# Altium PCB STM32-Nixie-v2.PcbDoc (part 1 of 3)
Units mm, origin at the board's own origin, x right, y up, seen from the top; angles counter-clockwise.
Board outline 339 x 57 mm, 2 copper layers (Top Layer, Bottom Layer); 367 components, 315 nets, 1212 pads, 270 vias.
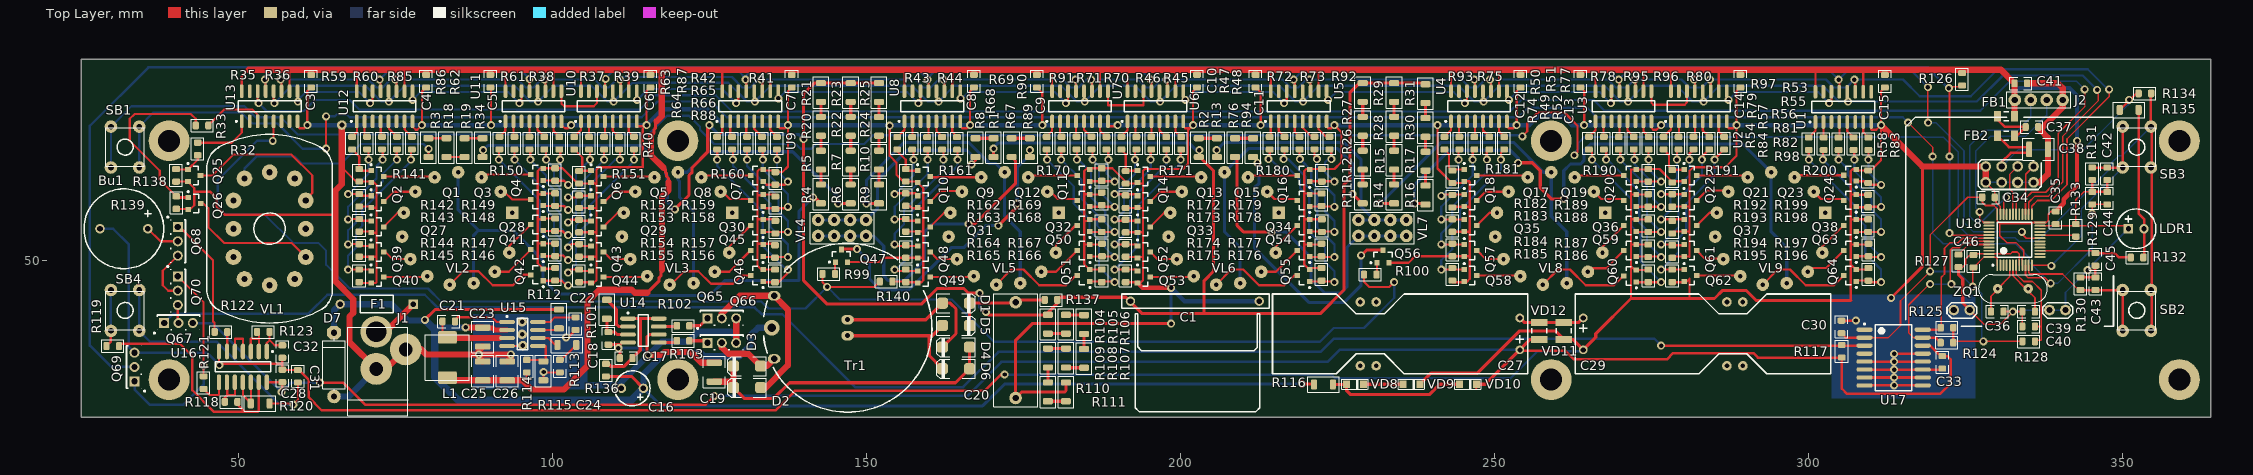
[diagram p0: Top Layer view]
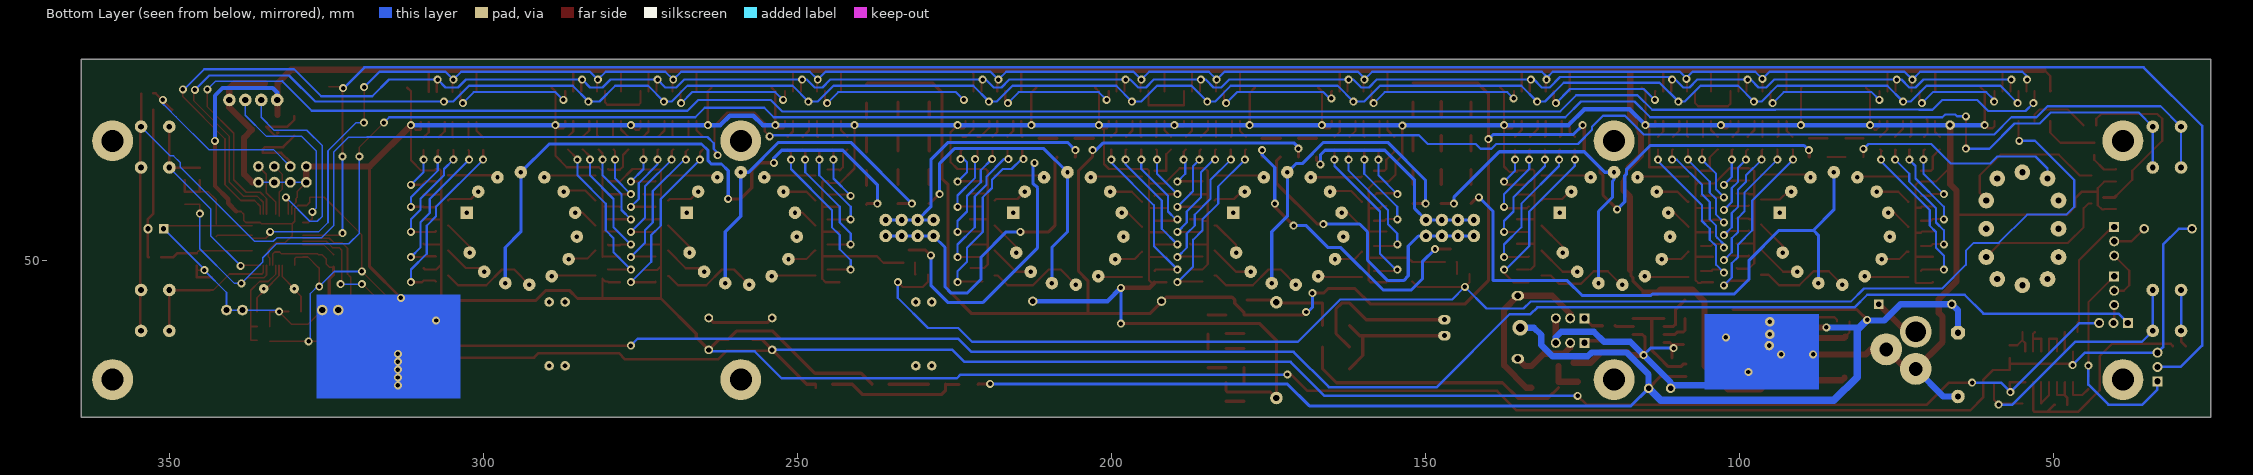
[diagram p1: Bottom Layer view, seen from below]
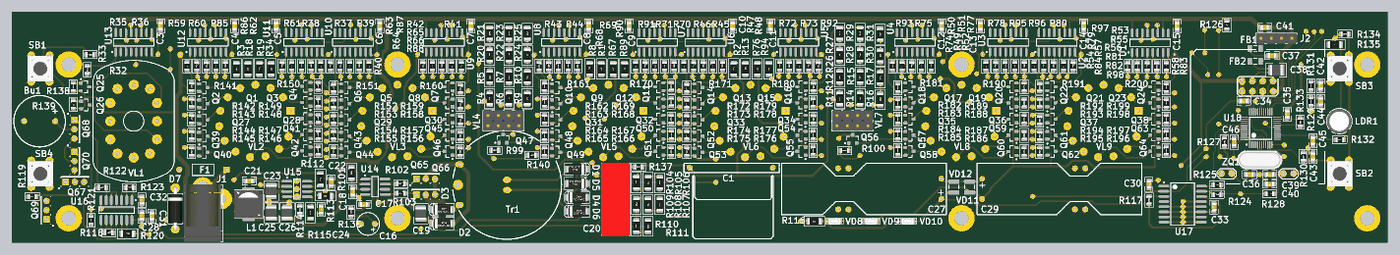
[diagram p4: 3D render of the assembled board from above, using the file's embedded part models]

## Layer stack, top to bottom
Top Solder: solder mask 0.0102, Solder Resist, Dk 3.5
Top Layer: signal copper 0.0356
Dielectric 1: dielectric 0.32, FR-4, Dk 4.8
Bottom Layer: signal copper 0.0356
Bottom Solder: solder mask 0.0102, Solder Resist, Dk 3.5

## Board outline
25,25 25,82 364,82 364,25

## Design rules (kind name [scope] priority, off if disabled: settings)
Clearance [All] p1: gap=0.2
ComponentClearance ComponentClearance_1 [All] p1: gap=0.254 collisioncheckmode=3 verticalgap=0.254 showdistances=FALSE
PolygonConnect [All] p1: connectstyle=Relief reliefconductorwidth=0.254 reliefentries=4 polygonreliefangle="90 Angle" airgapwidth=0.254
RoutingVias [All] p1: holewidth=0.711 width=1.27 viastyle="Through Hole" minholewidth=0.711 minwidth=1.27 maxholewidth=0.711 maxwidth=1.27
SolderMaskExpansion [All] p1: expansion=0.102
Width [All] p1: maxlimit=1.27 minlimit=0.2 preferedwidth=0.5
29 further rules are at their usual default settings.

## Components (designator, comment, footprint, x,y, rotation, side; value= is the part's Value field where it differs from the comment)
Bu1 "PK-21N30P" Buzzer 28,55 r0 top
C1 "2.2u" CBB22 192.024,43.473 r0 top
C3 "100n" C0805(2013) 61.617,78.5 r90 top
C4 "100n" C0805(2013) 79.917,78.5 r90 top
C5 "100n" C0805(2013) 90.138,78.5 r90 top
C6 "100n" C0805(2013) 115.617,78.5 r90 top
C7 "100n" C0805(2013) 138.117,78.5 r90 top
C8 "100n" C0805(2013) 167.117,78.5 r90 top
C9 "100n" C0805(2013) 177.138,78.5 r90 top
C10 "100n" C0805(2013) 202.617,78.5 r90 top
C11 "100n" C0805(2013) 211.938,78.5 r90 top
C12 "100n" C0805(2013) 254.117,78.5 r90 top
C13 "100n" C0805(2013) 263.638,78.5 r90 top
C14 "100n" C0805(2013) 289.117,78.5 r90 top
C15 "100n" C0805(2013) 312.117,78.5 r90 top
C16 "100uF 20V" "100.0x20V pol" 111,29.6 r0 top
C17 "1.0" C0805(2013) 111.75,34.422 r180 top
C18 "680" C0805(2013) 108.933,37.551 r270 top
C19 "22u 50V" C1210(3225) 125.775,32.168 r90 top
C20 "3,3u" "MKP 18x7 h14 R15.24" 173.75,35.68 r270 top
C21 "100n" C0805(2013) 83.5,40.25 r0 top
C22 "100n" C0805(2013) 103.696,39.892 r270 top
C23 "22u 50V" C1210(3225) 88.933,37.75 r90 top
C24 "3.9n" C0805(2013) 101.2,33.133 r270 top
C25 "22u" C1210(3225) 88.933,32.371 r90 top
C26 "22u" C1210(3225) 92.812,32.371 r90 top
C27 "Cap Pol2" 10F2.7V 254,40.806 r270 top
C28 "1.0" C0805(2013) 57.027,31.572 r90 top
C29 "Cap Pol2" 10F2.7V 264.101,35.726 r90 top
C30 "100n" C0805(2013) 305.2,39.379 r270 top
C31 "1.0" C0805(2013) 59.5,31.514 r90 top
C32 "100n" C0805(2013) 57.027,35.451 r90 top
C33 "100n" C0805(2013) 321.25,33.741 r90 top
C34 "100n" C0805(2013) 328.6,60 r180 top
C35 "1.0" C0805(2013) 339.292,56.75 r90 top
C36 "15" C0805(2013) 330,41.827 r0 top
C37 "100n" C0805(2013) 335.517,71.2 r0 top
C38 "22u" C1210(3225) 336.567,67.633 r0 top
C39 "15" C0805(2013) 335,41.827 r180 top
C40 "100n" C0805(2013) 335,39.448 r180 top
C41 "100n" C0805(2013) 333.75,78.15 r180 top
C42 "100n" C0805(2013) 347.5,63.75 r90 top
C43 "100n" C0805(2013) 345.629,46.25 r270 top
C44 "100n" C0805(2013) 347.5,59.871 r270 top
C45 "100n" C0805(2013) 345.629,50.129 r270 top
C46 "100n" C0805(2013) 326.208,49.838 r270 top
D1 "US1M" "DO-214AC (SMA)" 164.25,43.156 r0 top
D2 "US1M" "DO-214AC (SMA)" 131,29.713 r180 top
D3 "US1M" "DO-214AC (SMA)" 130.991,33.143 r180 top
D4 "US1M" "DO-214AC (SMA)" 164.25,36.156 r180 top
D5 "US1M" "DO-214AC (SMA)" 164.25,39.585 r0 top
D6 "US1M" "DO-214AC (SMA)" 164.25,32.726 r180 top
D7 "P4KE16" DO-15-400 65.25,33.382 r90 top
F1 "3.15A" PIN-W2/E2.8 72.06,42.996 r180 top
FB1 "60R" C1206 331.4,72.912 r180 top
FB2 "1K" C1206 331.4,69.8 r180 top
J1 "12V 1A" Power-Jack 71.98,25 r90 top
J2 "H-1x4" J1x4 336.6,75.5 r180 top
L1 "10u" Dr-SD-75 83.304,34.5 r0 top
LDR1 "LDR" CAPPR250-630X1120 352.111,55 r0 top
Q1 "MMBTA42LT1G" ONSC-SOT-23-3-318-08_V 72.157,63.296 r0 top
Q2 "MMBTA42LT1G" ONSC-SOT-23-3-318-08_V 72.157,59.306 r0 top
Q3 "MMBTA42LT1G" ONSC-SOT-23-3-318-08_V 97.56,63.633 r180 top
Q4 "MMBTA42LT1G" ONSC-SOT-23-3-318-08_V 97.56,59.644 r180 top
Q5 "MMBTA42LT1G" ONSC-SOT-23-3-318-08_V 107.157,63.296 r0 top
Q6 "MMBTA42LT1G" ONSC-SOT-23-3-318-08_V 107.157,59.306 r0 top
Q7 "MMBTA42LT1G" ONSC-SOT-23-3-318-08_V 132.56,63.5 r180 top
Q8 "MMBTA42LT1G" ONSC-SOT-23-3-318-08_V 132.56,59.511 r180 top
Q9 "MMBTA42LT1G" ONSC-SOT-23-3-318-08_V 159.157,63.296 r0 top
Q10 "MMBTA42LT1G" ONSC-SOT-23-3-318-08_V 159.157,59.306 r0 top
Q11 "MMBTA42LT1G" ONSC-SOT-23-3-318-08_V 184.56,63.5 r180 top
Q12 "MMBTA42LT1G" ONSC-SOT-23-3-318-08_V 184.56,59.511 r180 top
Q13 "MMBTA42LT1G" ONSC-SOT-23-3-318-08_V 194.157,63.296 r0 top
Q14 "MMBTA42LT1G" ONSC-SOT-23-3-318-08_V 194.157,59.306 r0 top
Q15 "MMBTA42LT1G" ONSC-SOT-23-3-318-08_V 219.56,63.5 r180 top
Q16 "MMBTA42LT1G" ONSC-SOT-23-3-318-08_V 219.56,59.511 r180 top
Q17 "MMBTA42LT1G" ONSC-SOT-23-3-318-08_V 246.157,63.5 r0 top
Q18 "MMBTA42LT1G" ONSC-SOT-23-3-318-08_V 246.157,59.511 r0 top
Q19 "MMBTA42LT1G" ONSC-SOT-23-3-318-08_V 271.56,63.5 r180 top
Q20 "MMBTA42LT1G" ONSC-SOT-23-3-318-08_V 271.56,59.511 r180 top
Q21 "MMBTA42LT1G" ONSC-SOT-23-3-318-08_V 281.157,63.5 r0 top
Q22 "MMBTA42LT1G" ONSC-SOT-23-3-318-08_V 281.157,59.511 r0 top
Q23 "MMBTA42LT1G" ONSC-SOT-23-3-318-08_V 306.56,63.517 r180 top
Q24 "MMBTA42LT1G" ONSC-SOT-23-3-318-08_V 306.56,59.527 r180 top
Q25 "MMBTA42LT1G" ONSC-SOT-23-3-318-08_V 43,63.489 r0 top
Q26 "MMBTA42LT1G" ONSC-SOT-23-3-318-08_V 43.042,59 r0 top
Q27 "MMBTA42LT1G" ONSC-SOT-23-3-318-08_V 72.157,55.317 r0 top
Q28 "MMBTA42LT1G" ONSC-SOT-23-3-318-08_V 97.56,55.655 r180 top
Q29 "MMBTA42LT1G" ONSC-SOT-23-3-318-08_V 107.157,55.317 r0 top
Q30 "MMBTA42LT1G" ONSC-SOT-23-3-318-08_V 132.56,55.521 r180 top
Q31 "MMBTA42LT1G" ONSC-SOT-23-3-318-08_V 159.157,55.317 r0 top
Q32 "MMBTA42LT1G" ONSC-SOT-23-3-318-08_V 184.56,55.521 r180 top
Q33 "MMBTA42LT1G" ONSC-SOT-23-3-318-08_V 194.157,55.317 r0 top
Q34 "MMBTA42LT1G" ONSC-SOT-23-3-318-08_V 219.56,55.521 r180 top
Q35 "MMBTA42LT1G" ONSC-SOT-23-3-318-08_V 246.157,55.521 r0 top
Q36 "MMBTA42LT1G" ONSC-SOT-23-3-318-08_V 271.56,55.521 r180 top
Q37 "MMBTA42LT1G" ONSC-SOT-23-3-318-08_V 281.157,55.521 r0 top
Q38 "MMBTA42LT1G" ONSC-SOT-23-3-318-08_V 306.56,55.538 r180 top
Q39 "MMBTA42LT1G" ONSC-SOT-23-3-318-08_V 72.157,51.328 r0 top
Q40 "MMBTA42LT1G" ONSC-SOT-23-3-318-08_V 72.157,47.339 r0 top
Q41 "MMBTA42LT1G" ONSC-SOT-23-3-318-08_V 97.56,51.665 r180 top
Q42 "MMBTA42LT1G" ONSC-SOT-23-3-318-08_V 97.56,47.676 r180 top
Q43 "MMBTA42LT1G" ONSC-SOT-23-3-318-08_V 107.157,51.328 r0 top
Q44 "MMBTA42LT1G" ONSC-SOT-23-3-318-08_V 107.157,47.339 r0 top
Q45 "MMBTA42LT1G" ONSC-SOT-23-3-318-08_V 132.56,51.532 r180 top
Q46 "MMBTA42LT1G" ONSC-SOT-23-3-318-08_V 132.56,47.543 r180 top
Q47 "MMBTA42LT1G" ONSC-SOT-23-3-318-08_V 146,50.694 r90 top
Q48 "MMBTA42LT1G" ONSC-SOT-23-3-318-08_V 159.157,51.328 r0 top
Q49 "MMBTA42LT1G" ONSC-SOT-23-3-318-08_V 159.157,47.339 r0 top
Q50 "MMBTA42LT1G" ONSC-SOT-23-3-318-08_V 184.56,51.532 r180 top
Q51 "MMBTA42LT1G" ONSC-SOT-23-3-318-08_V 184.56,47.543 r180 top
Q52 "MMBTA42LT1G" ONSC-SOT-23-3-318-08_V 194.157,51.328 r0 top
Q53 "MMBTA42LT1G" ONSC-SOT-23-3-318-08_V 194.157,47.339 r0 top
Q54 "MMBTA42LT1G" ONSC-SOT-23-3-318-08_V 219.56,51.532 r180 top
Q55 "MMBTA42LT1G" ONSC-SOT-23-3-318-08_V 219.56,47.543 r180 top
Q56 "MMBTA42LT1G" ONSC-SOT-23-3-318-08_V 232.2,50.6 r90 top
Q57 "MMBTA42LT1G" ONSC-SOT-23-3-318-08_V 246.157,51.532 r0 top
Q58 "MMBTA42LT1G" ONSC-SOT-23-3-318-08_V 246.157,47.543 r0 top
Q59 "MMBTA42LT1G" ONSC-SOT-23-3-318-08_V 271.56,51.532 r180 top
Q60 "MMBTA42LT1G" ONSC-SOT-23-3-318-08_V 271.56,47.5 r180 top
Q61 "MMBTA42LT1G" ONSC-SOT-23-3-318-08_V 281.157,51.532 r0 top
Q62 "MMBTA42LT1G" ONSC-SOT-23-3-318-08_V 281.157,47.543 r0 top
Q63 "MMBTA42LT1G" ONSC-SOT-23-3-318-08_V 306.56,51.549 r180 top
Q64 "MMBTA42LT1G" ONSC-SOT-23-3-318-08_V 306.56,47.56 r180 top
Q65 "IRFU024N" TO-251AA 126.984,36.834 r0 top
Q66 "IRFU024N" TO-251AA 126.984,40.75 r0 top
Q67 "IRFU9024" TO-251AA 40.5,39.991 r0 top
Q68 "IRFU9024" TO-251AA 40.391,53 r270 top
Q69 "IRFU024N" TO-251AA 33.5,33 r90 top
Q70 "IRFU9024" TO-251AA 40.391,45.146 r270 top
R1 "47k" R1206 170.246,67.918 r270 top
R2 "47k" R1206 202.9,67.918 r270 top
R3 "15k" R1206 80.279,67.918 r270 top
R4 "6.8k" R1206 142.75,60.547 r90 top
R5 "6.8k" R1206 142.75,65.927 r270 top
R6 "6.8k" R1206 147.5,60.547 r90 top
R7 "6.8k" R1206 147.5,65.927 r270 top
R8 "47k" R1206 167.367,67.918 r90 top
R9 "6.8k" R1206 152,60.547 r90 top
R10 "6.8k" R1206 152,65.927 r270 top
R11 "6.8k" R1206 229,60.547 r90 top
R12 "6.8k" R1206 229,65.927 r270 top
R13 "47k" R1206 205.779,67.918 r90 top
R14 "6.8k" R1206 234,60.547 r90 top
R15 "6.8k" R1206 234,65.927 r270 top
R16 "6.8k" R1206 239,60.371 r90 top
R17 "6.8k" R1206 239,65.75 r270 top
R18 "15k" R1206 83.159,67.918 r270 top
R19 "15k" R1206 86.038,67.918 r270 top
R20 "6.8k" R1206 142.75,71.306 r90 top
R21 "6.8k" R1206 142.75,76.685 r270 top
R22 "6.8k" R1206 147.5,71.306 r90 top
R23 "6.8k" R1206 147.5,76.685 r270 top
R24 "6.8k" R1206 152,71.306 r90 top
R25 "6.8k" R1206 152,76.685 r270 top
R26 "6.8k" R1206 229,71.306 r90 top
R27 "6.8k" R1206 229,76.685 r270 top
R28 "6.8k" R1206 234,71.306 r90 top
R29 "6.8k" R1206 234,76.685 r270 top
R30 "6.8k" R1206 239,71.129 r90 top
R31 "6.8k" R1206 239,76.509 r270 top
R32 "4.7k" R0805 43.554,67.706 r270 top
R33 "4.7k" R0805 44.25,71.442 r0 top
R34 "15k" R1206 88.917,67.918 r270 top
R35 "4.7k" R0805 68.133,68.633 r90 top
R36 "4.7k" R0805 70.512,68.633 r90 top
R37 "4.7k" R0805 101.104,68.633 r90 top
R38 "4.7k" R0805 98.724,68.633 r90 top
R39 "4.7k" R0805 103.483,68.633 r90 top
R40 "4.7k" R0805 105.862,68.633 r90 top
R41 "4.7k" R0805 135.75,68.633 r90 top
R42 "4.7k" R0805 133.371,68.633 r90 top
R43 "4.7k" R0805 154.9,68.6 r90 top
R44 "4.7k" R0805 157.279,68.6 r90 top
R45 "4.7k" R0805 188.2,68.633 r90 top
R46 "4.7k" R0805 185.821,68.633 r90 top
R47 "4.7k" R0805 190.583,68.633 r90 top
R48 "4.7k" R0805 192.962,68.633 r90 top
R49 "4.7k" R0805 223.7,68.633 r90 top
R50 "4.7k" R0805 221.321,68.633 r90 top
R51 "4.7k" R0805 242,68.633 r90 top
R52 "4.7k" R0805 244.379,68.633 r90 top
R53 "4.7k" R0805 274.517,68.633 r90 top
R54 "4.7k" R0805 272.138,68.633 r90 top
R55 "4.7k" R0805 276.896,68.633 r90 top
R56 "4.7k" R0805 279.276,68.633 r90 top
R57 "4.7k" R0805 309.5,68.533 r90 top
R58 "4.7k" R0805 307.121,68.533 r90 top
R59 "4.7k" R0805 72.891,68.633 r90 top
R60 "4.7k" R0805 75.271,68.633 r90 top
R61 "4.7k" R0805 96.345,68.633 r90 top
R62 "4.7k" R0805 93.966,68.633 r90 top
R63 "4.7k" R0805 108.241,68.633 r90 top
R64 "4.7k" R0805 110.621,68.633 r90 top
R65 "4.7k" R0805 130.991,68.633 r90 top
R66 "4.7k" R0805 128.612,68.633 r90 top
R67 "47k" R1206 173.125,67.918 r270 top
R68 "4.7k" R0805 159.659,68.6 r90 top
R69 "4.7k" R0805 162.038,68.6 r90 top
R70 "4.7k" R0805 183.441,68.633 r90 top
R71 "4.7k" R0805 181.062,68.633 r90 top
R72 "4.7k" R0805 195.341,68.633 r90 top
R73 "4.7k" R0805 197.721,68.633 r90 top
R74 "4.7k" R0805 218.941,68.633 r90 top
R75 "4.7k" R0805 216.562,68.633 r90 top
R76 "47k" R1206 208.674,67.918 r270 top
R77 "4.7k" R0805 246.759,68.633 r90 top
R78 "4.7k" R0805 249.138,68.633 r90 top
R79 "4.7k" R0805 269.759,68.633 r90 top
R80 "4.7k" R0805 267.379,68.633 r90 top
R81 "4.7k" R0805 281.655,68.633 r90 top
R82 "4.7k" R0805 284.146,68.633 r90 top
R83 "4.7k" R0805 304.741,68.533 r90 top
R84 "4.7k" R0805 302.362,68.533 r90 top
R85 "4.7k" R0805 77.65,68.633 r90 top
R86 "4.7k" R0805 91.587,68.633 r90 top
R87 "4.7k" R0805 113,68.633 r90 top
R88 "4.7k" R0805 126.233,68.633 r90 top
R89 "47k" R1206 176.005,67.918 r90 top
R90 "4.7k" R0805 164.417,68.6 r90 top
R91 "4.7k" R0805 178.683,68.633 r90 top
R92 "4.7k" R0805 200.1,68.633 r90 top
R93 "4.7k" R0805 214.183,68.633 r90 top
R94 "47k" R1206 211.554,67.918 r90 top
R95 "4.7k" R0805 251.517,68.633 r90 top
R96 "4.7k" R0805 265,68.633 r90 top
R97 "4.7k" R0805 286.526,68.633 r90 top
R98 "4.7k" R0805 299.983,68.533 r90 top
R99 "4.7k" R0805 144,47.802 r0 top
R100 "4.7k" R0805 230.2,47.708 r0 top
R101 "15k" R1206 108.683,42.181 r90 top
R102 "10" R0805 120.817,39.551 r0 top
R103 "10" R0805 120.817,37.172 r180 top
R104 "47k" R1206 178.88,39.801 r90 top
R105 "47k" R1206 181.76,39.801 r270 top
R106 "47k" R1206 184.639,39.75 r90 top
R107 "47k" R1206 184.639,34.371 r90 top
R108 "47k" R1206 181.76,34.422 r270 top
R109 "47k" R1206 178.88,34.422 r90 top
R110 "47k" R1206 178.88,29.043 r90 top
R111 "47k" R1206 181.76,29.043 r270 top
R112 "47k" R1206 101.067,40.642 r270 top
R113 "6.8k" R1206 102.317,36.513 r180 top
R114 "39k" R0805 95.942,33.133 r90 top
R115 "15k" R1206 98.571,32.383 r90 top
R116 "1k" R1206 222.75,30.222 r180 top
R117 "4.7k" R0805 305.25,35.5 r270 top
R118 "4.7k" R0805 48.871,27.447 r0 top
R119 "470" R0805 30.033,36.332 r180 top
R120 "47k" R1206 53.5,27.197 r0 top
R121 "4.7k" R0805 44.483,30.5 r270 top
R122 "4.7k" R0805 47.25,38.58 r0 top
R123 "4.7M" R0805 54,38.58 r0 top
R124 "4.7k" R0805 321.992,36.871 r0 top
R125 "4.7k" R0805 322,39.25 r0 top
R126 "4.7k" R0805 324.4,78.8 r90 top
R127 "4.7k" R0805 323.829,49.9 r270 top
R128 "4.7k" R0805 335,37.068 r180 top
R129 "4.7k" R0805 345.121,59.871 r90 top
R130 "4.7k" R0805 343.25,46.25 r90 top
R131 "4.7k" R0805 345.121,63.75 r270 top
R132 "4.7k" R0805 352.25,50.433 r180 top
R133 "4.7k" R0805 342.5,54.75 r90 top
R134 "470" R0805 353.5,76.548 r0 top
R135 "15k" R1206 351,73.918 r180 top
R136 "10" R0805 108.533,32.5 r270 top
R137 "10" R0805 179.38,43.681 r180 top
R138 "4.7k" R0805 40.108,63.5 r270 top
R139 "4.7k" R0805 40.15,59.167 r90 top
R140 "4.7k" R0805 153.136,46.6 r0 top
R141 "4.7k" R0805 69.265,63.523 r270 top
R142 "4.7k" R0805 69.265,59.534 r270 top
R143 "4.7k" R0805 69.265,55.545 r270 top
R144 "4.7k" R0805 69.265,51.555 r270 top
R145 "4.7k" R0805 69.265,47.5 r270 top
R146 "4.7k" R0805 100.452,47.754 r90 top
R147 "4.7k" R0805 100.452,51.633 r90 top
R148 "4.7k" R0805 100.452,55.633 r90 top
R149 "4.7k" R0805 100.452,59.633 r90 top
R150 "4.7k" R0805 100.452,63.633 r90 top
R151 "4.7k" R0805 104.265,63.193 r270 top
R152 "4.7k" R0805 104.265,59.314 r270 top
R153 "4.7k" R0805 104.265,55.435 r270 top
R154 "4.7k" R0805 104.265,51.555 r270 top
R155 "4.7k" R0805 104.265,47.5 r270 top
R156 "4.7k" R0805 135.452,47.5 r90 top
R157 "4.7k" R0805 135.452,51.379 r90 top
R158 "4.7k" R0805 135.5,55.259 r90 top
R159 "4.7k" R0805 135.5,59.138 r90 top
R160 "4.7k" R0805 135.5,63.017 r90 top
R161 "4.7k" R0805 156.265,63.523 r270 top
R162 "4.7k" R0805 156.265,59.644 r270 top
R163 "4.7k" R0805 156.265,55.545 r270 top
R164 "4.7k" R0805 156.265,51.379 r270 top
R165 "4.7k" R0805 156.265,47.5 r270 top
R166 "4.7k" R0805 187.452,47.5 r90 top
R167 "4.7k" R0805 187.5,51.621 r90 top
R168 "4.7k" R0805 187.452,55.5 r90 top
R169 "4.7k" R0805 187.452,59.754 r90 top
R170 "4.7k" R0805 187.452,63.633 r90 top
R171 "4.7k" R0805 191.265,63.193 r270 top
R172 "4.7k" R0805 191.265,59.314 r270 top
R173 "4.7k" R0805 191.265,55.435 r270 top
R174 "4.7k" R0805 191.265,51.555 r270 top
R175 "4.7k" R0805 191.265,47.5 r270 top
R176 "4.7k" R0805 222.452,47.741 r90 top
R177 "4.7k" R0805 222.452,51.621 r90 top
R178 "4.7k" R0805 222.5,55.5 r90 top
R179 "4.7k" R0805 222.452,59.621 r90 top
R180 "4.7k" R0805 222.5,63.5 r90 top
R181 "4.7k" R0805 243.265,63.267 r270 top
R182 "4.7k" R0805 243.265,59.388 r270 top
R183 "4.7k" R0805 243.265,55.508 r270 top
R184 "4.7k" R0805 243.265,51.629 r270 top
R185 "4.7k" R0805 243.265,47.75 r270 top
R186 "4.7k" R0805 274.452,47.5 r90 top
R187 "4.7k" R0805 274.452,51.5 r90 top
R188 "4.7k" R0805 274.452,55.5 r90 top
R189 "4.7k" R0805 274.452,59.5 r90 top
R190 "4.7k" R0805 274.452,63.5 r90 top
R191 "4.7k" R0805 278.265,63.379 r270 top
R192 "4.7k" R0805 278.265,59.5 r270 top
R193 "4.7k" R0805 278.265,55.259 r270 top
R194 "4.7k" R0805 278.265,51.379 r270 top
R195 "4.7k" R0805 278.265,47.5 r270 top
R196 "4.7k" R0805 309.5,47.741 r90 top
R197 "4.7k" R0805 309.5,51.621 r90 top
R198 "4.7k" R0805 309.452,55.5 r90 top
R199 "4.7k" R0805 309.452,59.41 r90 top
R200 "4.7k" R0805 309.452,63.289 r90 top
SB1 "Mode" TS-06 32,68 r0 top
SB2 "Hour" TS-06 352.213,42 r180 top
SB3 "Min" TS-06 352.213,68 r180 top
SB4 "Alarm" TS-06 32,42 r0 top
U1 "74HC595" SO-16_N 305.5,74.4 r90 top
U2 "74HC595" SO-16_N 282.5,74.5 r90 top
U3 "74HC595" SO-16_N 270.5,74.5 r90 top
U4 "74HC595" SO-16_N 247.5,74.5 r90 top
U5 "74HC595" SO-16_N 218.8,74.5 r90 top
U6 "74HC595" SO-16_N 196,74.5 r90 top
U7 "74HC595" SO-16_N 184,74.5 r90 top
U8 "74HC595" SO-16_N 160.5,74.5 r90 top
U9 "74HC595" SO-16_N 131.5,74.5 r90 top
U10 "74HC595" SO-16_N 109,74.5 r90 top
U11 "74HC595" SO-16_N 97,74.5 r90 top
U12 "74HC595" SO-16_N 73.3,74.5 r90 top
U13 "74HC595" SO-16_N 55,74.5 r90 top
U14 "IR2153S" SO-8_M 114.5,38.801 r0 top
U15 "MP2307" SO8_M 95.25,38.25 r0 top
U16 "MC74HC14AD" 751A-02_M 50.75,33.014 r270 top
U17 "DS3231" ADI-RW-16_M 313.5,34.5 r0 top
U18 "STM32F103C8T6TR" STM-LQFP48_N 332.75,53.25 r90 top
VD8 "White" "LED 3.1x1.4mm Duris E3" 227.75,30.25 r0 top
VD9 "White" "LED 3.1x1.4mm Duris E3" 236.75,30.25 r0 top
VD10 "White" "LED 3.1x1.4mm Duris E3" 245.75,30.25 r0 top
VD11 "Green" C1210 257.101,38.75 r90 top
VD12 "Green" C1210 261,38.75 r270 top
VL1 "IN-15B" IN-12 55,55 r180 top
VL2 "IN-18" IN-18 85,55 r0 top
VL3 "IN-18" IN-18 120,55 r0 top
VL4 "H-2x4" J2x4 146,55 r180 top
VL5 "IN-18" IN-18 172,55 r0 top
VL6 "IN-18" IN-18 207,55 r0 top
VL7 "H-2x4" J2x4 232,55 r180 top
VL8 "IN-18" IN-18 259,55 r0 top
VL9 "IN-18" IN-18 294,55 r0 top
ZQ1 "8MHz" HC49S 332.5,45.457 r180 top

## Footprints (in the part's own frame and the unit in brackets; to place one, negate y for a bottom-side part, rotate by r counter-clockwise, add the part's x,y. Pads: shape width x height; smd on the part's side, far side on the other; paste and mask are expansions set on the pad)
10F2.7V [mil]
  round 55.12 hole 31.5: 1(0,0) 2(200,0)
  round 60 hole 30: 5(-100,-1000) 6(-100,-900) 7(300,-900) 8(300,-1000)
  silkscreen extent -150,-1550 350,50
"100.0x20V pol" [mm]
  round 1.5 hole 0.9: 1(0,0) 2(3.5,0)
  silkscreen extent -1.05,-2.8 4.55,2.8
751A-02_M [mm] "SOIC, 14-Leads, Body 8.7x3.9mm, Pitch 1.27mm, IPC Low Density"
  oval 2.5x0.7 smd: 1(-2.45,3.81) 2(-2.45,2.54) 3(-2.45,1.27) 4(-2.45,0) 5(-2.45,-1.27) 6(-2.45,-2.54) 7(-2.45,-3.81) 8(2.45,-3.81) 9(2.45,-2.54) 10(2.45,-1.27) 11(2.45,0) 12(2.45,1.27) 13(2.45,2.54) 14(2.45,3.81)
  silkscreen extent -2.57,-4.4 0.8,4.84, body extent -2,-4.38 2,4.38, height 1.75
ADI-RW-16_M [mm] "SOIC, 16-Leads, Body 10.3x7.5mm, Pitch 1.27mm, IPC Low Density"
  oval 2.6x0.7 smd: 1(-4.625,4.445) 2(-4.625,3.175) 3(-4.625,1.905) 4(-4.625,0.635) 5(-4.625,-0.635) 6(-4.625,-1.905) 7(-4.625,-3.175) 8(-4.625,-4.445) 9(4.625,-4.445) 10(4.625,-3.175) 11(4.625,-1.905) 12(4.625,-0.635) 13(4.625,0.635) 14(4.625,1.905) 15(4.625,3.175) 16(4.625,4.445)
  silkscreen extent -4.75,-5.25 2.93,5.47, body extent -3.8,-5.25 3.8,5.25, height 2.65
Buzzer [mil]
  round 60 hole 35: 1(0,0) 2(300,0)
  silkscreen extent -100,-250 400,250
C0805(2013) [mm]
  rrect50% 1x1.25 smd: 1(-1,0) 2(1,0)
  silkscreen extent -1.75,-1 1.75,1, body extent -1,-0.62 1,0.63, height 0.73
C1206 [mm] "Chip Capacitor, Body 3.2x1.6mm, IPC High Density"
  rect 1.1x1.7 smd: 1(-1.35,0) 2(1.35,0)
  silkscreen extent -0.4,-0.75 0.4,0.75, body extent -1.7,-0.9 1.7,0.9, height 1.3
C1210 [mm] "Chip Capacitor, Body 3.2x2.5mm, IPC High Density"
  rect 1.1x2.6 smd: 1(-1.35,0) 2(1.35,0)
  silkscreen extent -0.4,-1.2 0.4,1.2, body extent -1.7,-1.35 1.7,1.35, height 1.3
C1210(3225) [mm]
  rrect50% 1x2.5 smd: 1(-1.5,0) 2(1.5,0)
  silkscreen extent -2.5,-1.75 2.5,1.75, body extent -1.55,-1.3 1.55,1.3, height 0.47
CAPPR250-630X1120 [mm]
  rect 1.5x1.5 hole 0.8: 1(-1.25,0)
  round 1.5 hole 0.8: 2(1.25,0)
  silkscreen extent -3.15,-3.15 3.15,3.15, body extent -3.16,-3.16 3.14,3.11, height 11.2
CBB22 [mm]
  round 1.5 hole 0.9: 1(0,0) 2(20.5,0)
  silkscreen extent -1.4,-1.14 22.1,1.14
DO-15-400 [mil]
  round 85 hole 40: 1(-200,0)
  oct 85x85 hole 40: 2(200,0)
  silkscreen extent -165,-70 165,70, body extent -217,-70 217,70, height 141
"DO-214AC (SMA)" [mil] "DO-214-AC/SMA; 2 C-Bend Leads; Body 5 x 2.7 mm, inc. leads (LxW)"
  rrect50% 70x70 smd: 1(-85,0) 2(85,0)
  silkscreen extent -120,-60 120,60, body extent -98,-53 98,53, height 85
Dr-SD-75 [mm] "7.3x7.3x5mm"
  rrect25% 3x2 smd: 1(0,-3.2) 2(0,3.2)
  silkscreen extent -3.5,-3.6 3.5,3.6, body extent -3.5,-3.6 3.5,3.6, height 4.51
HC49S [mm]
  round 1.5 hole 0.6: 1(-2.44,0) 2(2.44,0)
  silkscreen extent -5.5,-2.25 5.5,2.25, body extent -5.5,-2.25 5.5,2.25, height 3.7
IN-12 [mm]
  round 2.5 hole 1: 1(4.001,-8.002) 2(5.751,-4.501) 3(5.751,0) 4(5.751,4.501) 5(4.001,8.002) 6(0,9.002) 7(-4.001,8.002) 8(-5.751,4.501) 9(-5.751,0) 10(-5.751,-4.501) 11(-4.001,-8.002) 12(0,-9.002)
  silkscreen extent -10,-15.03 10,15
IN-18 [mm]
  rect 2x2 hole 0.7: 1(8.629,2.556)
  round 2 hole 0.7: 2(6.792,5.905) 3(3.732,8.19) 4(0,9) 5(-3.732,8.19) 6(-6.792,5.905) 7(-8.629,2.556) 8(-8.912,-1.253) 9(-7.591,-4.836) 10(-4.902,-7.548) 11(-1.33,-8.901) 12(2.481,-8.651) 13(5.845,-6.844) 14(8.157,-3.804)
J1x4 [mm]
  round 2 hole 1: 1(-3.81,0) 2(-1.27,0) 3(1.27,0) 4(3.81,0)
  silkscreen extent -5.08,-1.27 5.08,1.27, body extent -5.08,-1.27 5.08,1.27, height 10.1
J2x4 [mm]
  round 2 hole 0.9: 1(-3.937,-1.397) 2(-3.937,1.143) 3(-1.397,-1.397) 4(-1.397,1.143) 5(1.143,-1.397) 6(1.143,1.143) 7(3.683,-1.397) 8(3.683,1.143)
  silkscreen extent -5.21,-2.67 4.95,2.41, body extent -5.21,-2.67 4.95,2.41, height 10.1
"LED 3.1x1.4mm Duris E3" [mm]
  rect 1.1x1.2 smd paste-0.05: 1(-1.35,0) 2(1.35,0)
  silkscreen extent -2.1,-0.8 2.1,0.8, body extent -1.55,-0.7 1.55,0.7, height 1.2
"MKP 18x7 h14 R15.24" [mm]
  round 2 hole 1: 1(-7.62,0) 2(7.62,0)
  silkscreen extent -9,-3.5 9,3.5, body extent -9,-3.5 9,3.5, height 14
ONSC-SOT-23-3-318-08_V [mm] "SOT23, 3-Leads, Body 2.92x1.3mm, Pitch 0.95mm"
  rect 0.9x0.8 smd: 1(-1,0.95) 2(-1,-0.95) 3(1,0)
  silkscreen extent -1.12,-1.46 0.65,2.02, body extent -0.65,-1.46 0.65,1.46, height 1.11
PIN-W2/E2.8 [mm] "Thru-Hole; 2 Leads"
  rect 1.5x1.5 hole 0.9: 1(-5.825,0)
  round 1.5 hole 0.9: 2(5.825,0)
  silkscreen extent -2.65,-1.4 2.65,1.4
Power-Jack [mm]
  round 5.08 hole 2.2: 1(7.7,0) 2(10.8,-4.7)
  round 5.08 hole 3.2: 3(13.6,0)
  silkscreen extent 0.2,-5.08 14.35,4.57, body extent 0.2,-5.03 14.35,4.55, height 11.05
R0805 [mm]
  rrect50% 1x1.25 smd: 1(-1,0) 2(1,0)
  silkscreen extent -1.75,-1 1.75,1, body extent -1,-0.62 1,0.63, height 0.6
R1206 [mm]
  rrect50% 1x1.6 smd: 1(-1.5,0) 2(1.5,0)
  silkscreen extent -2.5,-1.25 2.5,1.25, body extent -1.6,-0.8 1.6,0.8, height 0.6
SO8_M [mm] "SOIC, 8-Leads, Body 4.9x3.9mm, Pitch 1.27mm, IPC Low Density"
  oval 2.5x0.7 smd: 1(-2.45,1.905) 2(-2.45,0.635) 3(-2.45,-0.635) 4(-2.45,-1.905) 5(2.45,-1.905) 6(2.45,-0.635) 7(2.45,0.635) 8(2.45,1.905)
  silkscreen extent -2.57,-2.5 0.8,2.93, body extent -2,-2.5 2,2.5, height 1.75
SO-8_M [mm] "SOIC, 8-Leads, Body 4.9x3.9mm, Pitch 1.27mm, IPC Low Density"
  oval 2.5x0.7 smd: 1(-2.45,1.905) 2(-2.45,0.635) 3(-2.45,-0.635) 4(-2.45,-1.905) 5(2.45,-1.905) 6(2.45,-0.635) 7(2.45,0.635) 8(2.45,1.905)
  silkscreen extent -2.57,-2.5 0.8,2.93, body extent -2,-2.5 2,2.5, height 1.75
SO-16_N [mm] "SOIC, 16-Leads, Body 9.9x3.9mm, Pitch 1.27mm, IPC Medium Density"
  oval 2.2x0.6 smd: 1(-2.4,4.445) 2(-2.4,3.175) 3(-2.4,1.905) 4(-2.4,0.635) 5(-2.4,-0.635) 6(-2.4,-1.905) 7(-2.4,-3.175) 8(-2.4,-4.445) 9(2.4,-4.445) 10(2.4,-3.175) 11(2.4,-1.905) 12(2.4,-0.635) 13(2.4,0.635) 14(2.4,1.905) 15(2.4,3.175) 16(2.4,4.445)
  silkscreen extent -2.52,-5 0.9,5.42, body extent -2,-5 2,5, height 1.75
STM-LQFP48_N [mm] "QFP, 48-Leads, Body 7x7mm, Pitch 0.5mm, IPC Medium Density"
  oval 1.8x0.3 smd: 1(-4.05,2.75) 2(-4.05,2.25) 3(-4.05,1.75) 4(-4.05,1.25) 5(-4.05,0.75) 6(-4.05,0.25) 7(-4.05,-0.25) 8(-4.05,-0.75) 9(-4.05,-1.25) 10(-4.05,-1.75) 11(-4.05,-2.25) 12(-4.05,-2.75) 25(4.05,-2.75) 26(4.05,-2.25) 27(4.05,-1.75) 28(4.05,-1.25) 29(4.05,-0.75) 30(4.05,-0.25) 31(4.05,0.25) 32(4.05,0.75) 33(4.05,1.25) 34(4.05,1.75) 35(4.05,2.25) 36(4.05,2.75)
  oval 0.3x1.8 smd: 13(-2.75,-4.05) 14(-2.25,-4.05) 15(-1.75,-4.05) 16(-1.25,-4.05) 17(-0.75,-4.05) 18(-0.25,-4.05) 19(0.25,-4.05) 20(0.75,-4.05) 21(1.25,-4.05) 22(1.75,-4.05) 23(2.25,-4.05) 24(2.75,-4.05) 37(2.75,4.05) 38(2.25,4.05) 39(1.75,4.05) 40(1.25,4.05) 41(0.75,4.05) 42(0.25,4.05) 43(-0.25,4.05) 44(-0.75,4.05) 45(-1.25,4.05) 46(-1.75,4.05) 47(-2.25,4.05) 48(-2.75,4.05)
  silkscreen extent -4.17,-2.75 2.75,3.57, body extent -3.5,-3.5 3.5,3.5, height 1.6
TO-251AA [mm] "TO, Thru-Hole, Vertical, Heatsink Mounted; 3 In-Line Leads; Pitch 2.28 mm"
  rect 1.6x1.6 hole 1: 1(-2.28,0)
  round 1.6 hole 1: 2(0,0) 3(2.28,0)
  silkscreen extent -3.97,-1.72 3.4,1.3, body extent -3.45,-1.15 3.45,1.35, height 9.7
TS-06 [mm]
  round 2 hole 0.9: 1(-2.25,-3.25) 1(-2.25,3.25) 2(2.25,-3.25) 2(2.25,3.25)
  silkscreen extent -3.05,-3.05 3.05,3.05, body extent -3,-3.3 3,3.3, height 3.95

## Part data
Bu1: library part "Buz PK-21N30P"
C1: library part "MER 1uF 250V", "MER 1uF 250V"
C3 C4 C5 C6 C7 C8 C9 C10 C11 C12 C13 C14 C15 C17 C18 C21 C22 C24 C28 C30 C31 C32 C33 C34 C35 C36 C37 C39 C40 C41 C42 C43 C44 C45 C46: library part C-0805, "SMD-0805"
C16: library part 1u-400V-105F, "400V 105F"
C19 C23 C25 C26 C38: library part "C-1210  100V 2.2u", "SMD-1210 100V X7R 10%"
C20: library part "MKS4 3.3u 63V", "MKS4 3.3u 63V"
C27 C29: "Polarized Capacitor (Axial)"
D1 D2 D3 D4 D5 D6: "SMD SMA 1A 1000V 75nS"
D7: library part P6KE200, "TVS DO-15 600W 200V"
F1: library part "Fuse 1", "Fuse"
FB1 FB2: library part L2
J1: library part Power-Jack, "Power-Jack"
L1: library part "L-SD-75 33uH", "1.2A 0.15om 7.3x7.3x5mm"
Q1 Q2 Q3 Q4 Q5 Q6 Q7 Q8 Q9 Q10 Q11 Q12 Q13 Q14 Q15 Q16 Q17 Q18 Q19 Q20 Q21 Q22 Q23 Q24 Q25 Q26 Q27 Q28 Q29 Q30 Q31 Q32 Q33 Q34 Q35 Q36 Q37 Q38 Q39 Q40 Q41 Q42 Q43 Q44 Q45 Q46 Q47 Q48 Q49 Q50 Q51 Q52 Q53 Q54 Q55 Q56 Q57 Q58 Q59 Q60 Q61 Q62 Q63 Q64: "High Voltage Transistor, NPN Silicon, 3-Pin SOT-23, Pb-Free, Tape and Reel"
Q65 Q66 Q67 Q68 Q69 Q70: "HEXFET Power MOSFET"
R1 R2 R3 R4 R5 R6 R7 R8 R9 R10 R11 R12 R13 R14 R15 R16 R17 R18 R19 R20 R21 R22 R23 R24 R25 R26 R27 R28 R29 R30 R31 R34 R67 R76 R89 R94 R101 R104 R105 R106 R107 R108 R109 R110 R111 R112 R113 R115 R116 R120 R135: library part R-1206, "SMD 1206 0.125W 5% 200V"
R32 R33 R35 R36 R37 R38 R39 R40 R41 R42 R43 R44 R45 R46 R47 R48 R49 R50 R51 R52 R53 R54 R55 R56 R57 R58 R59 R60 R61 R62 R63 R64 R65 R66 R68 R69 R70 R71 R72 R73 R74 R75 R77 R78 R79 R80 R81 R82 R83 R84 R85 R86 R87 R88 R90 R91 R92 R93 R95 R96 R97 R98 R99 R100 R102 R103 R114 R117 R118 R119 R121 R122 R123 R124 R125 R126 R127 R128 R129 R130 R131 R132 R133 R134 R136 R137 R138 R139 R140 R141 R142 R143 R144 R145 R146 R147 R148 R149 R150 R151 R152 R153 R154 R155 R156 R157 R158 R159 R160 R161 R162 R163 R164 R165 R166 R167 R168 R169 R170 R171 R172 R173 R174 R175 R176 R177 R178 R179 R180 R181 R182 R183 R184 R185 R186 R187 R188 R189 R190 R191 R192 R193 R194 R195 R196 R197 R198 R199 R200: library part R-0805, "SMD 0805 0.1W 5% 150V"
SB1 SB2 SB3 SB4: library part "Buton TS-06"
U1 U2 U3 U4 U5 U6 U7 U8 U9 U10 U11 U12 U13: "8-Bit Serial-Input/Serial-or-Parallel-Output Shift Register with Latched 3-State Outputs"
U14: "Self-Oscillating Half-Bridge Driver"
U16: "Hex Schmitt Trigger Inverter"
U18: "ARM Cortex-M3 32-bit MCU, 64 KB Flash, 20 KB Internal RAM, 37 I/Os, 48-pin LQFP, -40 to 85 degC, Tape and Reel"
VD8 VD9 VD10: library part "LED 3x1.4mm Duris E3", "30mA 1.94-2.8cd (20ma)"
VD11 VD12: library part "Led 0805 KP-2012SGC", "Green 565nm 15mcd"
ZQ1: library part Q

## Free pads (board coordinates)
  round 6.5 hole 3.5: 0(39,69) 4(39,31) 5(120,31) 6(259,31) 7(259,69) 8(120,69) 9(359,31) 10(359,69)
  round 1.7 hole 1: 16(323.08,42.06) 17(325.62,42.06) 18(338.32,42.06) 19(340.86,42.06) 20(328.16,62.38) 21(330.7,62.38) 23(335.78,62.38) 24(335.78,64.92) 25(333.24,64.92) 26(330.7,64.92) 27(328.16,64.92)
  round 1.8 hole 1: 22(333.24,62.38)
  oval 2x1.524 hole 0.8: 28(147,40.52) 29(147,37.98)
  round 2.5 hole 1.3: 30(134.935,39.25)
  oval 2x1.5 hole 1: 31(135.316,44.33) 32(135.316,34.297)
  round 1.524 hole 0.762: 33(95.2,40.2) 34(95.2,38.2) 35(95.3,36.4)
  round 1.524 hole 0.8: 36(66.5,71.5)

## Via types
v1: diameter 1.27, hole 0.711, Top Layer to Bottom Layer, 270 vias